# KiCad board 11-10084__speedy_processing_module__B.kicad_pcb (continued)
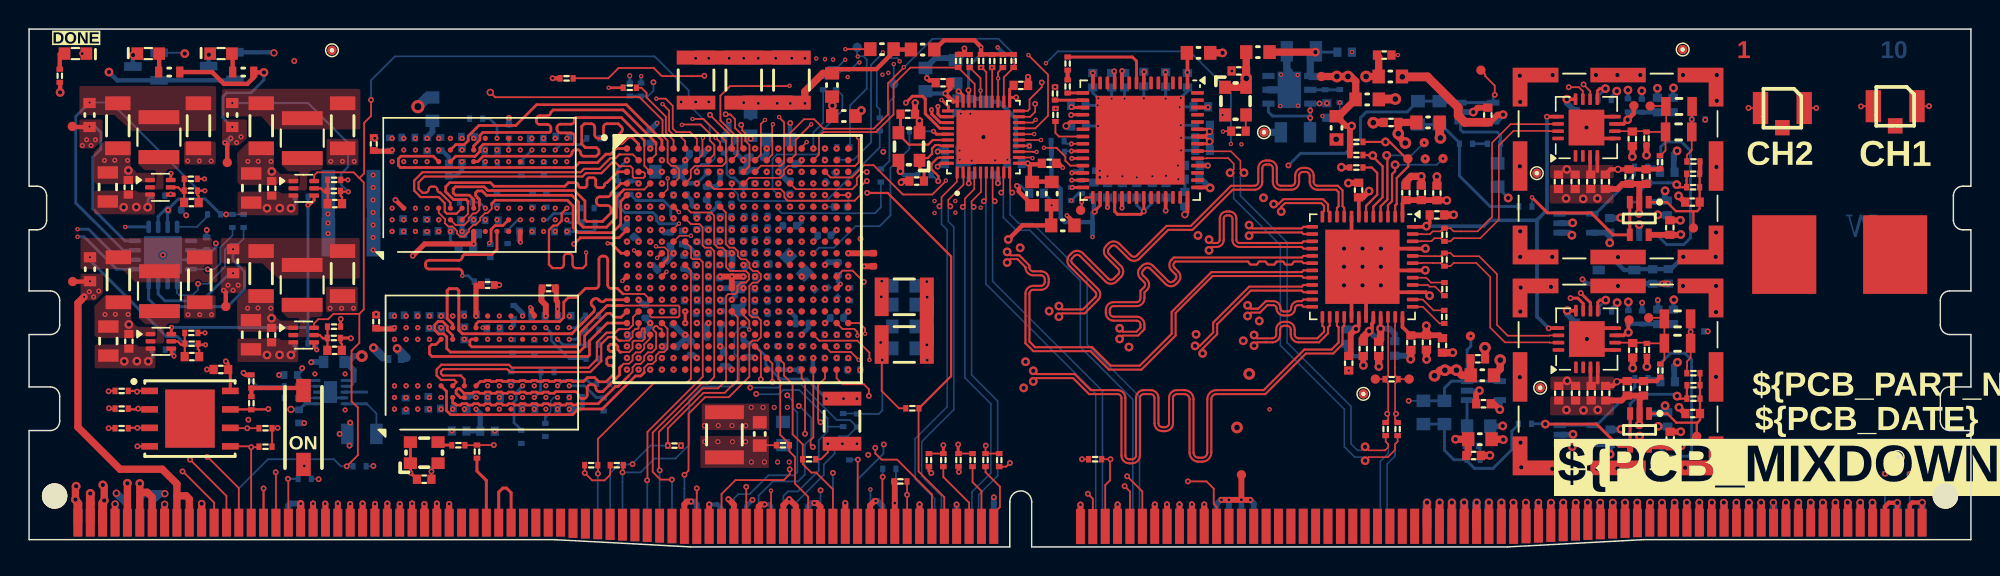
[diagram p0: board, top side]
## Nets (continued)
/TOP_LEVEL_IO/LD_MIO/VMODE[0]/MIO7: IC1.D8 R57.1
/TOP_LEVEL_IO/PGA_SCLK: IC1.B12 U3.11 U7.11
/TOP_LEVEL_IO/PGA_SDIO: IC1.D16 U3.10 U7.10
/TOP_LEVEL_IO/PGA_~{CS_CH1}: IC1.B13 R8.1 U3.9
/TOP_LEVEL_IO/PGA_~{CS_CH2}: IC1.C12 R20.1 U7.9
/TOP_LEVEL_IO/PLL/AC0: R42.2 U13.23
/TOP_LEVEL_IO/PLL/AC1: R43.2 U13.22
/TOP_LEVEL_IO/PLL/AC2: R44.2 U13.28
/TOP_LEVEL_IO/PLL/ADC_CLK+: R136.1 U13.47
/TOP_LEVEL_IO/PLL/ADC_CLK-: R137.1 U13.48
/TOP_LEVEL_IO/PLL/IF0: R41.2 U13.27
/TOP_LEVEL_IO/PLL/IF1: R40.2 U13.26
/TOP_LEVEL_IO/PLL/INTREF: C73.2 U16.3
/TOP_LEVEL_IO/PLL/REFINOUT: R46.2 R48.1
/TOP_LEVEL_IO/PLL/TEST: R45.2 U13.21
/TOP_LEVEL_IO/PLL_~{RSTn}: IC1.C18 R37.1 TP2.1 U13.29
/TOP_LEVEL_IO/PROG_B: IC1.L6 JEDEC1.187 R50.1
/TOP_LEVEL_IO/PS_CLK_EXT: JEDEC1.34 R59.2
/TOP_LEVEL_IO/PS_POR_B: IC1.C7 JEDEC1.158 R67.2 U22.6 U23.6
/TOP_LEVEL_IO/PS_RST: IC1.B10 JEDEC1.71 R107.1
/TOP_LEVEL_IO/SCL: IC1.C16 R97.1 U13.24 U24.4
/TOP_LEVEL_IO/SDA: IC1.C13 R98.1 U13.25 U24.5
/TOP_LEVEL_IO/SPI_CS/MIO1: IC1.A7 JEDEC1.14 R55.1 U15.1
/TOP_LEVEL_IO/SPI_DQ0/BOOT_MODE[3]/MIO2: IC1.B8 JEDEC1.15 R60.1 U15.5
/TOP_LEVEL_IO/SPI_DQ1/BOOT_MODE[1]/MIO3: IC1.D6 JEDEC1.13 R58.1 U15.2
/TOP_LEVEL_IO/SPI_DQ2/BOOT_MODE[2]/MIO4: IC1.B7 JEDEC1.12 R66.2 U15.3
/TOP_LEVEL_IO/SPI_DQ3/BOOT_MODE[0]/MIO5: IC1.A6 JEDEC1.17 R65.2 U15.7
/TOP_LEVEL_IO/SPI_SCK/BOOT_MODE[4]/MIO6: JEDEC1.16 R54.2 R64.1 U15.6
/TOP_LEVEL_IO/SPI_SCLK_FB/VMODE[1]/MIO8: IC1.D5 JEDEC1.18 R56.2
/TOP_LEVEL_IO/TCK: IC1.F9 JEDEC1.194
/TOP_LEVEL_IO/TDI: IC1.G6 JEDEC1.193
/TOP_LEVEL_IO/TDO: IC1.F6 JEDEC1.192
/TOP_LEVEL_IO/TMS: IC1.J6 JEDEC1.191
/TOP_LEVEL_IO/TRIGGER_IN_0: IC1.Y16 JEDEC1.51
/TOP_LEVEL_IO/TRIGGER_IN_1: IC1.Y17 JEDEC1.53
/TOP_LEVEL_IO/TRIGGER_OUT_0: IC1.Y19 JEDEC1.55
/TOP_LEVEL_IO/TRIGGER_OUT_1: IC1.V17 JEDEC1.57
/TOP_LEVEL_IO/TTC0_IN: IC1.E16 JEDEC1.209
/TOP_LEVEL_IO/TTC0_OUT: IC1.C15 JEDEC1.208
/TOP_LEVEL_IO/UART1_RX: IC1.D15 JEDEC1.206
/TOP_LEVEL_IO/UART1_TX: IC1.A14 JEDEC1.205
/TOP_LEVEL_IO/VCM: C45.2 U3.13 U7.13 U9.48
/TOP_LEVEL_IO/ZYNQ_CONFIG/PS_CLK: IC1.E7 R53.2 R59.1
/TOP_LEVEL_IO/ZYNQ_FPGA/D1A+: IC1.N17 R35.2 U9.9
/TOP_LEVEL_IO/ZYNQ_FPGA/D1A-: IC1.P18 R35.1 U9.10
/TOP_LEVEL_IO/ZYNQ_FPGA/D1B+: IC1.N18 R36.2 U9.11
/TOP_LEVEL_IO/ZYNQ_FPGA/D1B-: IC1.P19 R36.1 U9.12
/TOP_LEVEL_IO/ZYNQ_FPGA/D2A+: IC1.N20 R78.2 U9.13
/TOP_LEVEL_IO/ZYNQ_FPGA/D2A-: IC1.P20 R78.1 U9.14
/TOP_LEVEL_IO/ZYNQ_FPGA/D2B+: IC1.P14 R82.2 U9.15
/TOP_LEVEL_IO/ZYNQ_FPGA/D2B-: IC1.R14 R82.1 U9.16
/TOP_LEVEL_IO/ZYNQ_FPGA/D3A+: IC1.V15 R93.2 U9.21
/TOP_LEVEL_IO/ZYNQ_FPGA/D3A-: IC1.W15 R93.1 U9.22
/TOP_LEVEL_IO/ZYNQ_FPGA/D3B+: IC1.V16 R94.2 U9.23
/TOP_LEVEL_IO/ZYNQ_FPGA/D3B-: IC1.W16 R94.1 U9.24
/TOP_LEVEL_IO/ZYNQ_FPGA/D4A+: IC1.W18 R95.2 U9.25
/TOP_LEVEL_IO/ZYNQ_FPGA/D4A-: IC1.W19 R95.1 U9.26
/TOP_LEVEL_IO/ZYNQ_FPGA/D4B+: IC1.V20 R96.2 U9.27
/TOP_LEVEL_IO/ZYNQ_FPGA/D4B-: IC1.W20 R96.1 U9.28
/TOP_LEVEL_IO/ZYNQ_FPGA/FCLK+: IC1.U14 R88.2 U9.19
/TOP_LEVEL_IO/ZYNQ_FPGA/FCLK-: IC1.U15 R88.1 U9.20
/TOP_LEVEL_IO/ZYNQ_FPGA/LCLK+: IC1.U18 R85.2 U9.17
/TOP_LEVEL_IO/ZYNQ_FPGA/LCLK-: IC1.U19 R85.1 U9.18
/TOP_LEVEL_IO/ZYNQ_PS/DDR3_A0: IC1.N2 R149.2 U11.N3 U18.N3
/TOP_LEVEL_IO/ZYNQ_PS/DDR3_A1: IC1.K2 R145.2 U11.P7 U18.P7
/TOP_LEVEL_IO/ZYNQ_PS/DDR3_A2: IC1.M3 R147.2 U11.P3 U18.P3
/TOP_LEVEL_IO/ZYNQ_PS/DDR3_A3: IC1.K3 R148.2 U11.N2 U18.N2
/TOP_LEVEL_IO/ZYNQ_PS/DDR3_A4: IC1.M4 R146.2 U11.P8 U18.P8
/TOP_LEVEL_IO/ZYNQ_PS/DDR3_A5: IC1.L1 R158.2 U11.P2 U18.P2
/TOP_LEVEL_IO/ZYNQ_PS/DDR3_A6: IC1.L4 R162.2 U11.R8 U18.R8
/TOP_LEVEL_IO/ZYNQ_PS/DDR3_A7: IC1.K4 R156.2 U11.R2 U18.R2
/TOP_LEVEL_IO/ZYNQ_PS/DDR3_A8: IC1.K1 R161.2 U11.T8 U18.T8
/TOP_LEVEL_IO/ZYNQ_PS/DDR3_A9: IC1.J4 R157.2 U11.R3 U18.R3
/TOP_LEVEL_IO/ZYNQ_PS/DDR3_A10: IC1.F5 R152.2 U11.L7 U18.L7
/TOP_LEVEL_IO/ZYNQ_PS/DDR3_A11: IC1.G4 R160.2 U11.R7 U18.R7
/TOP_LEVEL_IO/ZYNQ_PS/DDR3_A12: IC1.E4 R143.2 U11.N7 U18.N7
/TOP_LEVEL_IO/ZYNQ_PS/DDR3_A13: IC1.D4 R155.2 U11.T3 U18.T3
/TOP_LEVEL_IO/ZYNQ_PS/DDR3_A14: IC1.F4 R159.2 U11.T7 U18.T7
/TOP_LEVEL_IO/ZYNQ_PS/DDR3_BA0: IC1.L5 R150.2 U11.M2 U18.M2
/TOP_LEVEL_IO/ZYNQ_PS/DDR3_BA1: IC1.R4 R144.2 U11.N8 U18.N8
/TOP_LEVEL_IO/ZYNQ_PS/DDR3_BA2: IC1.J5 R154.2 U11.M3 U18.M3
/TOP_LEVEL_IO/ZYNQ_PS/DDR3_CK+: IC1.L2 R138.2 U11.J7 U18.J7
/TOP_LEVEL_IO/ZYNQ_PS/DDR3_CK-: IC1.M2 R138.1 U11.K7 U18.K7
/TOP_LEVEL_IO/ZYNQ_PS/DDR3_CKE0: IC1.N3 R151.2 U11.K9 U18.K9
/TOP_LEVEL_IO/ZYNQ_PS/DDR3_DM0: IC1.A1 U18.E7
/TOP_LEVEL_IO/ZYNQ_PS/DDR3_DM1: IC1.F1 U18.D3
/TOP_LEVEL_IO/ZYNQ_PS/DDR3_DM2: IC1.T1 U11.E7
/TOP_LEVEL_IO/ZYNQ_PS/DDR3_DM3: IC1.Y1 U11.D3
/TOP_LEVEL_IO/ZYNQ_PS/DDR3_DQ0: IC1.E1 U18.E3
/TOP_LEVEL_IO/ZYNQ_PS/DDR3_DQ1: IC1.C3 U18.F7
/TOP_LEVEL_IO/ZYNQ_PS/DDR3_DQ2: IC1.D3 U18.F2
/TOP_LEVEL_IO/ZYNQ_PS/DDR3_DQ3: IC1.A4 U18.F8
/TOP_LEVEL_IO/ZYNQ_PS/DDR3_DQ4: IC1.D1 U18.H3
/TOP_LEVEL_IO/ZYNQ_PS/DDR3_DQ5: IC1.B3 U18.H8
/TOP_LEVEL_IO/ZYNQ_PS/DDR3_DQ6: IC1.C1 U18.G2
/TOP_LEVEL_IO/ZYNQ_PS/DDR3_DQ7: IC1.A2 U18.H7
/TOP_LEVEL_IO/ZYNQ_PS/DDR3_DQ8: IC1.E2 U18.D7
/TOP_LEVEL_IO/ZYNQ_PS/DDR3_DQ9: IC1.H2 U18.C3
/TOP_LEVEL_IO/ZYNQ_PS/DDR3_DQ10: IC1.E3 U18.C8
/TOP_LEVEL_IO/ZYNQ_PS/DDR3_DQ11: IC1.J1 U18.C2
/TOP_LEVEL_IO/ZYNQ_PS/DDR3_DQ12: IC1.H3 U18.A7
/TOP_LEVEL_IO/ZYNQ_PS/DDR3_DQ13: IC1.J3 U18.A2
/TOP_LEVEL_IO/ZYNQ_PS/DDR3_DQ14: IC1.G3 U18.B8
/TOP_LEVEL_IO/ZYNQ_PS/DDR3_DQ15: IC1.H1 U18.A3
/TOP_LEVEL_IO/ZYNQ_PS/DDR3_DQ16: IC1.T4 U11.E3
/TOP_LEVEL_IO/ZYNQ_PS/DDR3_DQ17: IC1.R1 U11.F7
/TOP_LEVEL_IO/ZYNQ_PS/DDR3_DQ18: IC1.U4 U11.F2
/TOP_LEVEL_IO/ZYNQ_PS/DDR3_DQ19: IC1.P1 U11.F8
/TOP_LEVEL_IO/ZYNQ_PS/DDR3_DQ20: IC1.U2 U11.H3
/TOP_LEVEL_IO/ZYNQ_PS/DDR3_DQ21: IC1.P3 U11.H8
/TOP_LEVEL_IO/ZYNQ_PS/DDR3_DQ22: IC1.U3 U11.G2
/TOP_LEVEL_IO/ZYNQ_PS/DDR3_DQ23: IC1.R3 U11.H7
/TOP_LEVEL_IO/ZYNQ_PS/DDR3_DQ24: IC1.W3 U11.D7
/TOP_LEVEL_IO/ZYNQ_PS/DDR3_DQ25: IC1.W1 U11.C3
/TOP_LEVEL_IO/ZYNQ_PS/DDR3_DQ26: IC1.Y3 U11.C8
/TOP_LEVEL_IO/ZYNQ_PS/DDR3_DQ27: IC1.Y2 U11.C2
/TOP_LEVEL_IO/ZYNQ_PS/DDR3_DQ28: IC1.V2 U11.A7
/TOP_LEVEL_IO/ZYNQ_PS/DDR3_DQ29: IC1.V3 U11.A2
/TOP_LEVEL_IO/ZYNQ_PS/DDR3_DQ30: IC1.Y4 U11.B8
/TOP_LEVEL_IO/ZYNQ_PS/DDR3_DQ31: IC1.V1 U11.A3
/TOP_LEVEL_IO/ZYNQ_PS/DDR3_DQS0+: IC1.C2 U18.F3
/TOP_LEVEL_IO/ZYNQ_PS/DDR3_DQS0-: IC1.B2 U18.G3
/TOP_LEVEL_IO/ZYNQ_PS/DDR3_DQS1+: IC1.G2 U18.C7
/TOP_LEVEL_IO/ZYNQ_PS/DDR3_DQS1-: IC1.F2 U18.B7
/TOP_LEVEL_IO/ZYNQ_PS/DDR3_DQS2+: IC1.R2 U11.F3
/TOP_LEVEL_IO/ZYNQ_PS/DDR3_DQS2-: IC1.T2 U11.G3
/TOP_LEVEL_IO/ZYNQ_PS/DDR3_DQS3+: IC1.W5 U11.C7
/TOP_LEVEL_IO/ZYNQ_PS/DDR3_DQS3-: IC1.W4 U11.B7
/TOP_LEVEL_IO/ZYNQ_PS/DDR3_ODT0: IC1.N5 R153.2 U11.K1 U18.K1
/TOP_LEVEL_IO/ZYNQ_PS/DDR3_~{CAS}: IC1.P5 R140.2 U11.K3 U18.K3
/TOP_LEVEL_IO/ZYNQ_PS/DDR3_~{CS}: IC1.N1 R142.2 U11.L2 U18.L2
/TOP_LEVEL_IO/ZYNQ_PS/DDR3_~{RAS}: IC1.P4 R139.2 U11.J3 U18.J3
/TOP_LEVEL_IO/ZYNQ_PS/DDR3_~{RESET}: IC1.B4 R73.1 R99.1 U11.T2 U18.T2
/TOP_LEVEL_IO/ZYNQ_PS/DDR3_~{WE}: IC1.M5 R141.2 U11.L3 U18.L3
/TOP_LEVEL_IO/ZYNQ_PS/GREEN_LED: IC1.A10 Q3.1
/TOP_LEVEL_IO/ZYNQ_PS/RED_LED: IC1.A11 Q4.1
/TOP_LEVEL_IO/ZYNQ_PS/S3: R163.1 U26.7
/TOP_LEVEL_IO/ZYNQ_PS/S5: R164.1 U26.9
/TOP_LEVEL_IO/ZYNQ_PS/VREF0V9: C121.2 IC1.E11 R105.1 R106.2
/TOP_LEVEL_IO/ZYNQ_PWR/PG_1V0: R84.1 U21.4 U25.6
/TOP_LEVEL_IO/ZYNQ_PWR/PG_1V8: R80.1 R83.1 U21.6 U22.4 U23.4
/TOP_LEVEL_IO/ZYNQ_PWR/TPS62A02_BUCK_1V0/EN: R90.1 U25.4
/TOP_LEVEL_IO/ZYNQ_PWR/TPS62A02_BUCK_1V0/FB: C239.1 R91.2 R92.1 U25.5
/TOP_LEVEL_IO/ZYNQ_PWR/TPS62A02_BUCK_1V8/FB: C219.1 R77.2 R79.1 U21.5
/TOP_LEVEL_IO/ZYNQ_PWR/TPS62A02_BUCK_1V50/FB: C229.1 R87.2 R89.1 U23.5
/TOP_LEVEL_IO/ZYNQ_PWR/TPS62A02_BUCK_3V3/FB: C223.1 R81.2 R86.1 U22.5
DDR3-VREF: C56.1 C58.2 C88.2 C90.1 C92.2 C266.2 C268.2 IC1.H6 IC1.P6 U11.H1 U11.M8 U18.H1 U18.M8 U26.6
VREF: C84.2 IC1.L9 U4.1 U8.1 U14.4
VTT: C267.2 R139.1 R140.1 R141.1 R142.1 R143.1 R144.1 R145.1 R146.1 R147.1 R148.1 R149.1 R150.1 R151.1 R152.1 R153.1 R154.1 R155.1 R156.1 R157.1 R158.1 R159.1 R160.1 R161.1 R162.1 U26.3 U26.5
Net-(C203-1-Pad2): C203.2 C204.2 R11.2 R23.1
Net-(C205-1-Pad2): C205.2 C207.2 R12.2 R24.1
Net-(D1-PadA): D1.A R52.1
Net-(D5-PadA): D5.A R68.1
Net-(D6-PadA): D6.A R166.1
Net-(IC1A-VCCADC_0): C255.2 IC1.J9 L17.2
Net-(IC1D-PS_DDR_VRN_502): IC1.G5 R69.2
Net-(IC1D-PS_DDR_VRP_502): IC1.H5 R70.2
Net-(IC1E-PS_MIO6_500): IC1.A5 R54.1
Net-(IC1F-PS_MIO16_501): IC1.A19 R124.2
Net-(IC1F-PS_MIO17_501): IC1.E14 R125.2
Net-(IC1F-PS_MIO18_501): IC1.B18 R126.2
Net-(IC1F-PS_MIO19_501): IC1.D10 R127.2
Net-(IC1F-PS_MIO20_501): IC1.A17 R128.2
Net-(IC1F-PS_MIO21_501): IC1.F14 R129.2
Net-(IC1G-VCCBATT_0): IC1.F11 R74.2 R165.1
Net-(JEDEC1-Pad35): JEDEC1.35 JEDEC1.36
Net-(JEDEC1-Pad285): JEDEC1.285 R168.1
Net-(JEDEC1-Pad287): JEDEC1.287 R167.1
Net-(Q3-D): D5.C Q3.3
Net-(Q4-D): D6.C Q4.3
Net-(R23-Pad2): R23.2 R75.1
Net-(R24-Pad2): R24.2 R76.1
Net-(R61-Pad1): R61.1 R65.1 SW1.2
Net-(R167-Pad2): R167.2 R176.1
Net-(R168-Pad2): R168.2 R175.1
Net-(U1-+): C9.2 R3.2 R4.2 R7.2 TP4.1 U1.1
Net-(U1--): R11.1 U1.3 U1.4
Net-(U2-+): C17.2 R9.1 R10.2 U2.1
Net-(U2--): R4.1 R7.1 TP31.1 U2.3 U2.4
Net-(U4--): R9.2 U4.3 U4.4
Net-(U5-+): C28.2 R15.2 R16.2 R19.2 TP14.1 U5.1
Net-(U5--): R12.1 U5.3 U5.4
Net-(U6-+): C36.2 R21.1 R22.2 U6.1
Net-(U6--): R16.1 R19.1 U6.3 U6.4
Net-(U8--): R21.2 U8.3 U8.4
Net-(U10-ADJ): R33.1 R34.1 U10.5
Net-(U11-ZQ): R71.2 U11.L8
Net-(U13-IC1N): R47.1 U13.16
Net-(U13-IC1P): R46.1 U13.15
Net-(U13-IC2N): C74.1 U13.19
Net-(U13-IC2P): C73.1 U13.18
Net-(U13-OC1P): R48.2 U13.8
Net-(U13-VDDOA): C66.2 C67.2 C68.2 C69.2 C70.2 C71.2 C72.2 C213.2 C215.2 C216.2 L9.2 U13.1 U13.7 U13.11 U13.17 U13.32 U13.36 U13.42 U13.43 U13.46 U13.54
Net-(U17-CLKOUT): R116.2 U17.35
Net-(U17-LED0/CFG_EXT): R119.1 R121.2 U17.32
Net-(U17-LED1/CFG_LDO0): R122.1 R123.2 U17.33
Net-(U17-LED2/CFG_LDO1): R118.2 R120.1 U17.34
Net-(U17-RSET): R117.2 U17.39
Net-(U17-XTAL_IN): C251.2 U17.36 X1.3
Net-(U17-XTAL_OUT/EXT_CLK): C252.2 U17.37 X1.1
Net-(U18-ZQ): R72.2 U18.L8
Net-(U19-+): C206.2 R75.2 U19.1
Net-(U20-+): C210.2 R76.2 U20.1
Net-(U21-SW): L11.1 U21.2
Net-(U22-SW): L12.1 U22.2
Net-(U23-SW): L13.1 U23.2
Net-(U24-~{PWRDN}): R102.2 U24.16
Net-(U25-SW): L15.1 U25.2
Net-(U27-OUTPUT): R53.1 U27.3

Pads without a net: IC1 A20 B5 B9 B14 B19 B20 C5 C6 C8 C17 C20 D9 D19 D20 E6 E8 E9 E13 F13 F17 F19 F20 G14 G15 G17 G18 G19 G20 H15 H16 H17 H18 H20 J14 J15 J18 J19 J20 K9 K14 K18 K19 L10 L14 L15 L16 L17 L19 L20 M14 M15 M17 M18 N15 N16 P15 P16 R16 R17 R18 R19 T5 T9 T10 T11 T12 T14 T15 T16 T17 U5 U7 U8 U9 U10 U12 U13 V5 V6 V7 V8 V10 V11 W6 W8 W9 W10 W11 Y6 Y7 Y8 Y9 Y11 Y12 Y13; JEDEC1 32 33 37 38 39 40 41 42 43 44 45 46 47 48 49 88 89 90 91 92 93 94 95 96 97 98 99 100 101 102 103 153 154 156 157 159 160 161 176 177 178 179 180 181 182 183 184 185 186 190 211 212 235 236 237 238 239 240 241 242 243 246 247; M1 1; M2 1; U3 1 2 16; U7 1 2 16; U10 3; U11 J1 J9 L1 L9 M7; U13 2 3 5 6 9 12 13 20 34 35 37 38 40 41 44 45 52 53 55 56; U14 1 5 6; U15 9; U18 J1 J9 L1 L9 M7; U24 1

## Via types
v1: diameter 0.4, hole 0.2, L1 to L10, 234 vias
v2: diameter 0.3, hole 0.15, L1 to L10, 438 vias
v3: diameter 0.6, hole 0.3, L1 to L10, 204 vias
v4: diameter 0.35, hole 0.15, L1 to L10, 157 vias
v5: diameter 0.8, hole 0.4, L1 to L10, 19 vias
v6: diameter 0.35, hole 0.2, L1 to L10, 40 vias
v7: diameter 0.5, hole 0.2, L1 to L10, 2 vias
v8: diameter 0.5, hole 0.3, L1 to L10, 55 vias
v9: diameter 0.5, hole 0.25, L1 to L10, 4 vias
v10: diameter 0.9, hole 0.5, L1 to L10, 1 via

## Routing (per net, layer and track width the routed paths; a pad name or vN(x,y) marks a point on that pad's centre or on a via; arc(x,y) is an arc through that point)
3v3-OP: length 86.4
  L1 w0.4: v3(113.43,21.48) 113.4,21.46 C14.2 U1.5 ; U5.5 C30.2 113.43,6.92 v3(113.45,6.94) ; v3(101.23,29.72) 100.85,29.72 100.33,29.19 C208.2 ; v3(101,9.44) 100.6,9.84 C209.2
  L1 w0.5: v3(101.24,7.37) 101.21,7.4 L3.2
  L1 w0.6: v5(94.31,32.32) 96.03,32.32 98.14,30.21 98.14,29.65 98.6,29.19 98.6,29.19 C208.2
  L5 w0.4: v3(101,9.44) 100.98,9.42 100.77,9.42 100.39,9.04 100.39,7.6 100.62,7.37 v3(101.24,7.37) 101.24,6.6 101.73,6.1 108.31,6.1 v3(108.58,6.37) 111.95,6.37 ; 111.82,23.96 112.66,23.12 112.66,21.79 112.98,21.48 v3(113.43,21.48) 113.73,21.48 114.45,20.76 114.45,17.43 112.38,15.36 112.38,9.73 v3(112.35,9.71) 112.35,9.08 112.65,8.78 112.65,7.8 111.95,7.1 111.95,6.37 ; 111.82,23.96 108.55,23.96 ; 111.82,23.96 v3(112.35,24.48) ; v3(101.23,29.72) 102.69,28.25 105.48,28.25 108.55,25.19 108.55,23.96 ; 108.55,23.96 v3(108.55,20.91) ; 111.95,6.37 112.88,6.37 v3(113.45,6.94)
  L5 w0.6: v5(94.31,32.32) 94.94,31.68 98.88,31.68 100.85,29.72 v3(101.23,29.72)
  L10 w0.4: v3(101,9.44) U20.5 ; v3(108.58,6.37) C32.2 U8.5 ; U4.5 C11.2 v3(108.55,20.91) ; v3(112.35,24.48) 112.33,24.46 112.33,23.98 C13.2 111.95,23.81 111.85,23.71 U2.5 ; 100.75,29.24 v3(101.23,29.72) ; v3(112.35,9.71) 112.35,9.44 C33.2 111.98,9.27 111.88,9.17 U6.5
+1v0: length 11.4
  L1 w0.3: R130.2 3.01,28.87 TP35.1
  L10 w0.2: U24.12 6.58,21.04 4.38,23.24 4.38,26.79 4.93,27.34 4.93,28.49 4.53,28.89 v4(4.15,28.89)
  vias: v2(45.86,22.59) v2(45.86,20.99) v2(45.86,19.39) v2(45.86,17.79) v2(45.86,16.19) v2(46.66,16.99) v2(48.26,21.79) v2(49.06,22.59) v2(49.86,21.79) v2(49.86,20.19) v2(49.86,18.59) v2(49.86,16.99) v2(50.66,22.59) v2(50.66,20.99) v2(50.66,19.39) v2(50.66,17.79) v2(50.66,16.19) v4(3.65,27.59) v4(3.95,27.99) v4(4.25,27.59) v4(4.55,27.99) v6(44.78,30.59) v6(45.78,30.59) v6(46.38,8.34) v6(46.68,30.59) v6(47.33,8.34) v6(48.27,8.34) v6(49.22,8.34) v6(49.59,9.59) v6(50.4,9.59) v6(51.17,9.59) v6(52.07,9.59)
+1v5: length 33.3
  L1 w0.3: v4(13.36,17.64) 13.51,17.49 TP38.1 ; U11.N9 34.69,15.97 34.51,16.15 34.51,16.38 v2(34.43,16.47) ; v2(36.29,16.36) U11.R9
  L1 w0.35: v4(30.69,15.87) 30.69,18.01 ; v4(25.09,15.07) 25.01,14.99 23.83,14.99 ; 36.2,17.9 36.2,16.94 36.29,16.85 v2(36.29,16.36) ; 23.67,27.2 24.85,27.2 v4(24.93,27.29)
  L10 w0.2: v4(28.93,21.69) 28.93,21.06 29.38,20.61 ; 22.18,11.44 22.2,11.42 22.2,11.17 22.08,11.04 U26.2 ; 22.18,11.44 U26.1 ; 22.18,11.44 22.3,11.44 ; v2(41.86,24.99) 41.7,25.14 R69.1 ; v4(14.01,18.82) 13.78,18.82 11.88,16.92 9.32,16.92 8.86,17.38 U24.7
  L10 w0.3: 29.73,26.39 29.73,25.91 29.32,25.49 28.83,25.49 ; 34.48,15.86 34.43,15.91 v2(34.43,16.47) ; C103.2 30.62,10.34 v4(30.69,10.27) ; v2(36.29,16.36) 36.29,15.9
  L10 w0.4: 22.3,11.44 22.3,12.14 21.73,12.72 ; v2(42.66,19.39) 42.83,19.39 43.16,19.05 ; v5(22.85,13.12) 22.3,13.12 21.9,12.72 ; C158.2 27.7,28.54 27.34,28.18 ; C142.2 43.62,21.62 v2(43.46,21.79) ; v2(41.06,22.59) 41.06,22.13 40.93,22.01 ; C149.2 42.19,16.65 v2(41.86,16.99) ; v2(42.66,27.39) 42.66,27.39 C170.2
  L10 w0.6: 24.3,13.04 v3(23.65,13.69)
  L10 w0.9: C146.2 C152.2
  vias: v2(32.13,27.29) v2(32.13,22.49) v2(32.29,15.07) v2(34.53,21.69) v2(34.69,9.47) v2(36.13,21.69) v2(36.29,9.47) v2(41.06,14.59) v2(43.46,13.79) v2(44.26,24.19) v2(44.26,16.19) v4(13.66,17.99) v4(14.01,17.64) v4(14.36,17.99) v4(23.63,25.57) v4(23.63,24.71) v4(23.63,23.85) v4(23.63,22.99) v4(23.63,22.13) v4(23.63,21.28) v4(23.63,20.42) v4(24.93,21.69) v4(25.09,9.47) v4(25.73,22.49) v4(25.89,10.27) v4(26.53,28.09) v4(26.53,21.69) v4(26.69,15.87) v4(26.69,9.47) v4(27.33,28.09) v4(27.33,22.49) v4(27.49,15.87) v4(27.49,10.27) v4(28.13,28.09) v4(28.29,15.87) v4(29.09,9.47) v4(29.73,26.49) v4(29.89,14.27) v4(30.53,28.09) v4(30.53,22.49) v4(31.98,7.96) v4(32.29,10.27) v4(34.53,28.09) v4(36.13,28.09)
+1v8: length 119.8
  L1 w0.12: R107.2 59.74,9.53 58.55,10.72 C202.2
  L1 w0.2: v1(73.17,23.04) 73.22,23.09 73.22,23.15 73.55,23.47 U13.30
  L1 w0.25: v3(92.81,15) 92.82,15.01 U9.33
  L1 w0.3: L10.1 55.43,32.85 58.19,32.85 59.53,34.19 L14.1 ; TP37.1 4.16,18.24 v4(4.18,18.27) ; v2(55.73,18.07) 55.46,17.8
  L1 w0.4: R26.1 R25.1 90.7,28.81 v3(90.83,28.94) 90.46,28.94 L7.1 ; v2(56.26,20.19) 57.97,20.19
  L1 w0.5: TP30.1 v5(89.81,32.34) v5(90.57,32.34) 90.77,32.34 91.11,32.01 91.11,30.78 ; 10.15,3.51 10.79,3.51 11,3.3 JEDEC1.10 ; 10.15,3.51 JEDEC1.9 ; 10.15,3.51 10.15,4.33 9.14,5.34 6.24,5.34 3.35,8.23 3.35,16.76 v4(3.78,17.19) ; 89.94,29.61 L6.1 ; v3(88.34,34.02) 85.19,34.02 ; v3(92.81,15) 92.81,14.25 C51.2 ; 55.13,32.56 54.52,32.56 53.28,31.31 53.28,30.71
  L1 w0.96: v6(49.08,30.54) C189.2
  L5 w0.2: v4(4.18,18.27) 3.51,18.94 3.51,20.12 6.12,22.73 9.11,22.73 v1(9.55,23.16)
  L8 w0.2: v1(13.53,22.86) 13.42,22.86
  L10 w0.12: R39.2 56.84,9.17 ; v2(54.66,23.39) 55.28,23.39 ; 13.2,22.87 13.53,22.87 v1(13.53,22.86) R98.2 ; R38.2 58.36,9.14 58.59,9.38 58.59,12.99 58.71,12.99 v1(58.58,12.85)
  L10 w0.2: R74.1 41.25,32.39 ; U24.15 9.51,23.14 ; v2(48.26,16.99) 48.48,17.21 48.48,17.24 ; C61.2 88.42,34.02 ; U10.4 88.95,32.38 ; R102.1 12.1,23.92 10.26,23.92 9.55,23.21 C253.2 9.32,23.17 8.86,22.71 U24.14 ; 89.81,32.37 89.78,32.33 R33.2
  L10 w0.3: 46.63,23.87 46.63,23.42 v2(46.66,23.39) ; C214.2 73.12,23.24 R37.2 73.03,22.96 v2(73.03,21.3) 73.03,22.33 71.14,22.33 71.11,22.37 71.09,22.37 70.84,22.61 70.84,24.6 70.21,25.24 R42.1 ; C191.2 54.15,21.28 v2(53.86,20.99) ; 55.01,15.74 v2(54.66,15.39) ; v2(55.73,18.07) 55.55,18.24 C194.2 ; C174.2 52.63,15.81 v2(52.26,16.19) ; v2(53.86,12.99) 53.83,12.96 C186.2 ; 51.78,22.11 v2(51.46,21.79) ; R43.1 70.18,27.18
  L10 w0.4: 48.48,17.24 48.48,17.72 ; v2(53.06,26.59) 52.79,26.32 C160.2 ; C53.2 93.78,14.65 93.43,15 v3(92.81,15) ; v6(48.05,29.29) 48.05,28.64 47.73,28.32 47.73,27.97 ; C166.2 50.66,27.02 v2(50.66,27.39) 50.66,28.14 ; v2(47.46,17.79) 48.55,17.79 ; 49.55,29.52 49.55,30.44 49.65,30.54
  L10 w0.5: v5(90.57,32.34) 88.02,32.34 U10.4 87.98,33.68 C59.2
  L10 w0.95: C189.2 v6(49.08,30.54)
  vias: v1(58.53,17.19) v1(58.48,14.05) v1(58.55,18.27) v2(46.66,21.79) v2(46.66,20.19) v2(46.66,18.59) v2(47.46,22.59) v2(47.46,16.19) v2(49.06,20.99) v2(49.06,19.39) v2(49.06,17.79) v2(49.86,24.99) v2(51.46,13.79) v2(52.26,24.19) v2(53.06,18.59) v2(55.46,25.79) v2(56.26,12.19) v2(70.51,30.13) v4(4.13,17.54) v4(4.43,17.19) v4(4.78,17.59) v6(41.24,32.39) v6(50.08,30.49) v6(51.38,30.49) v6(52.28,30.49) v6(53.28,30.49)
+1v8_ETH: length 16.3
  L1 w0.2: U17.28 64.54,31.26 64.51,31.28 v1(64.51,31.4)
  L1 w0.3: R111.2 R108.2 65.37,34.37 64.92,34.83 62.83,34.83 62.2,34.19
  L10 w0.2: 64.51,30.91 v1(64.51,31.4) 64.51,33.03 65.37,33.89 v2(65.37,34.35)
  L10 w0.3: 65.54,30.79 64.65,30.79 ; R115.2 67.77,29.44 66.61,30.6 C235.2
+1v8A: length 23.8
  L1 w0.25: U9.1 94.32,23.61 C48.2 ; U9.36 94.32,15.12 C47.2 ; v3(92.03,14.83) 92.22,15.02 92.22,15.34 92.32,15.44 U9.32
  L1 w0.4: C42.2 96.86,14.55 C40.2 ; v3(97.36,23.82) 97.35,23.83 C43.2 ; C47.2 95.95,14.54 ; 96.67,23.84 C44.2 C48.2
  L1 w0.5: C42.2 95.96,15.19 v3(95.95,15.2) ; C46.2 91.62,14.42 v3(92.03,14.83)
  L1 w0.6: v5(93.82,30.79) 92.72,30.79
  L5 w0.6: 98.6,23.93 98.6,28.77 97.48,29.89 94.74,29.89 94.28,30.35 94.28,30.36 93.85,30.79 v5(93.82,30.79)
  L10 w0.4: 92.69,14.17 v3(92.03,14.83) 91.63,14.43 C41.2
+1v8APLL: length 16.1
  L1 w0.12: U16.4 83.58,32.72
  L1 w0.2: 80.73,28.21 v8(81.07,28.56) 80.92,28.71 U13.51 ; U13.50 80.75,28.21 81.1,27.87 80.94,27.71 U13.49
  L1 w0.25: U13.33 75.05,23.3 v4(75.05,23.3) ; v1(78.04,32.64) 78.05,32.64 U13.4 ; U13.10 75.05,32.7 v1(75.06,32.71) ; U13.31 74.05,23.35 v4(74.05,23.34) ; v1(73.05,32.59) 73.05,32.58 73.05,32.57 U13.14 ; 78.05,23.3 U13.39
  L1 w0.3: U13.50 80.73,28.21
  L1 w0.5: 83.59,31.61 v5(83.59,32.21) L8.2 ; U16.1 U16.4
  L10 w0.2: C212.2 78.07,23.15 v1(78.05,23.12) ; 75.08,23.32 v4(75.05,23.3) ; 74.06,23.35 v4(74.05,23.34)
  L10 w0.3: C211.2 75.08,23.32 ; C81.2 74.06,23.35
  L10 w0.5: v8(81.07,27.87) 81.07,27.28
+1v8D: length 6.5
  L1 w0.25: U9.7 91.32,24.02 ; U9.30 91.32,15.18 v3(91.12,14.98)
  L1 w0.4: C50.2 91.59,24.03 v3(92.02,24.46) ; v3(91.12,14.98) 90.76,14.62 90.76,13.26
  L10 w0.4: v3(91.12,14.98) 90.47,14.98 ; C50.2 91.59,24.03 v3(92.02,24.46)
  vias: v5(89.76,28.02)
+2v4: length 21
  L1 w0.4: v1(83.25,3.24) 83.25,4.95 ; v1(81.88,3.23) v1(83.87,3.23)
  L10 w0.2: U10.1 85.11,29.9 85.39,29.62 87.96,29.62 87.98,29.6 v1(87.98,29.5) 87.98,30.05 87.98,30.05 87.98,30.05 U10.6 ; U10.6 89.1,30.48 ; U10.6 87.98,28.52
  L10 w0.4: v1(83.25,3.24) 83.25,3.24 JEDEC1.233 ; v1(83.25,3.24) 82.4,3.24 ; v1(83.25,3.24) 83.85,3.24 84.1,3 JEDEC1.234 ; 82.4,3.24 81.84,3.24 81.55,2.95 JEDEC1.231 ; 82.4,3.24 82.4,3.24 JEDEC1.232
  vias: v1(82.39,3.23) v1(87.98,30) v1(88.62,30.49) v1(89.12,30.5)
+3v3: length 155.1
  L1 w0.12: R119.2 67.1,5.52 v1(67.36,5.77) ; v1(5.46,10.7) 5.48,10.73 5.53,10.73 5.56,10.7 5.58,10.73 ; 62,5.04 v1(61.96,5.07) ; v1(38.15,5.09) 38.66,4.58 39.52,4.58 39.91,4.97 R51.2 ; R50.2 38.15,4.97 38.15,4.96 ; 7.6,3.76 v3(7.6,4.36)
  L1 w0.15: R55.2 5.58,10.73
  L1 w0.2: v1(63.83,31.32) 63.89,31.26 63.93,31.26 64.14,31.05 64.14,30.61 ; C85.2 13.67,12.6 v1(13.51,12.76) ; v2(45.06,15.39) v2(45.06,16.19) ; U27.4 U27.1 v1(26.18,5.1) C86.2 ; R120.2 61.79,5.24 62,5.04 ; U15.8 13.82,12.05
  L1 w0.25: U7.12 v3(105.63,16.24) ; U3.12 v3(105.6,30.78)
  L1 w0.3: v3(67.24,21.13) 68.21,22.1 C244.2 ; 70.18,23.51 70.18,22.37 ; R68.2 12.57,32.65 13.38,31.83 14.98,31.83 15.43,32.28 R166.2 15.45,32.62 v3(16.12,32.62) 16.18,32.67 ; R61.2 14.86,11.83 v1(14.73,11.97) ; TP39.1 13.61,27.64 v4(13.45,27.79)
  L1 w0.4: v1(112.15,18.1) v1(112.57,18.1)
  L1 w0.5: C6.2 92.68,33.69 L1.1 v5(91.82,32.34) ; v3(97.96,7.4) L3.1 98.83,6.41 C27.2 ; 7.6,3.76 8.11,3.76 8.45,3.41 JEDEC1.7 ; v3(7.6,4.36) JEDEC1.6 ; v3(81.96,33.97) L9.1 ; 6.75,4.11 JEDEC1.5
  L3 w0.12: v1(61.96,5.07) 62.66,5.77 v1(67.36,5.77)
  L3 w0.2: v2(45.06,17.79) v2(45.06,18.59) v2(45.06,20.19)
  L3 w0.4: v1(58.66,27.16) 58.68,27.14 58.68,23.75 57.1,22.17 v1(57.1,21.18) 57.13,21.18 59.25,19.06 59.25,12.35 58.21,11.31 57.32,11.31 56.85,10.84 v6(56.85,10.19)
  L5 w0.2: v2(3.33,21.32) 3.8,21.32 4,21.52 4,22.52 5.55,24.07 6.9,24.07 11.7,28.87 v4(13.95,28.87)
  L5 w0.3: v1(63.83,31.32) 63.83,30.41 63.27,29.85 63.27,28.89 61.55,27.16 v1(58.66,27.16)
  L7 w0.4: v1(57.1,21.18) 57.15,21.13 v3(67.24,21.13)
  L9 w0.5: v3(81.96,33.97) 81.99,33.94 86.56,33.94 89.12,31.38 90.85,31.38 v5(91.82,32.34)
  L10 w0.12: R67.1 23.62,5.54 v1(23.64,5.57) ; 12.18,20.39 C254.2 ; v1(19.88,4.65) 19.86,4.68 R56.1
  L10 w0.2: 46.56,25.69 v2(45.86,24.99) ; R163.2 R164.2 15.67,11.03 14.73,11.97 ; U24.9 6,19.09 3.78,21.32 v2(3.33,21.32) ; C265.2 18.75,12.15 v1(18.75,12.29) ; v3(109.06,16.79) 108.68,16.41 R20.2 ; C243.2 70.23,23.77 v2(70.23,23.49) ; R8.2 108.65,30.95 v3(109.03,31.33) ; v4(13.95,28.87) 13.3,29.51 13.3,30.97 13.56,31.22 15.24,31.22 16.12,32.11 v3(16.12,32.62) ; 111.98,18.1 111.97,18.09 C82.2 ; v1(12.83,20.87) 12.83,20.61 12.6,20.38 C254.2 ; 18.42,11.79 18.76,11.44 U26.10 ; v2(45.06,20.19) 45.06,20.02 ; U24.2 12.18,20.39 ; v6(54.75,10.19) 53.4,11.54 51.58,11.54 50.59,12.53 50.59,13.11 49.76,13.94 C263.2
  L10 w0.3: 44.6,25.64 45.24,25 45.84,25
  L10 w0.4: C25.2 105.63,15.99 v3(105.63,16.24) ; 45.84,25 v2(45.86,24.99) ; 110.25,18.1 v1(112.57,18.1) ; 63.83,31.21 v1(63.83,31.32) 63.83,31.34 ; v2(48.26,12.19) 48.03,12.42 C262.2 ; C165.2 45.35,26.88 v2(45.06,26.59) 45.06,26.12 44.6,25.67 ; C263.2 49.06,14.19 v2(49.06,14.59) ; C8.2 105.6,30.53 v3(105.6,30.78) ; v2(46.66,15.39) 46.55,15.28 C264.2 ; v2(45.86,12.99) 45.83,12.99 45.63,13.19 ; v4(13.85,28.09) 13.55,27.79 v4(13.45,27.79) ; v1(14.73,11.97) 14.73,11.97
  vias: v1(44.77,6.97) v3(6.75,4.38) v4(14.25,27.79) v4(14.55,28.19) v6(55.93,10.19)
+3v3_ETH: length 12.4
  L1 w0.2: U17.40 62.62,26.37 v1(62.39,26.14) ; v1(68.58,26.37) U17.11
  L1 w0.3: 69.48,26.3 68.65,26.3 v1(68.58,26.37) 68.73,26.23 68.73,25.14 ; 70.18,25.11 68.75,25.11
  L7 w0.2: v1(62.39,26.14) 62.4,26.13 68.34,26.13 v1(68.58,26.37)
  L10 w0.3: C248.2 62.61,26.36 v1(62.39,26.14)
  L10 w0.4: v1(68.58,26.37) 68.57,26.36 C247.2
+5V_CONN: length 15.6
  L1 w0.5: v3(5.16,3.19) 5.16,4.16 v3(5.06,4.26) ; v3(3.18,3.25) 3.18,4.12 v3(3.23,4.17)
  L1 w0.6: JEDEC1.3 5.05,2.99 ; JEDEC1.2 4.2,3.01 v3(4.2,3.67) ; JEDEC1.1 3.35,2.96
  L10 w0.2: v3(8.14,23.35) 8.17,23.38 8.17,23.91 R90.2 ; v3(8.18,12.76) 8.45,13.03 R84.2 ; R83.2 18.25,13.46 v3(17.98,13.19) ; v3(17.99,23.28) 18.26,23.55 R80.2
  L10 w0.5: JEDEC1.2 v3(4.2,3.67) ; JEDEC1.3 5.05,3.08 v3(5.16,3.19) ; JEDEC1.1 3.35,3.08 v3(3.18,3.25)
  vias: v3(6.49,23.35) v3(6.53,12.76) v3(7.36,23.36) v3(7.4,12.77) v3(16.33,13.19) v3(16.34,23.28) v3(17.21,23.29) v3(17.2,13.2)
+5V_PGA: length 26.4
  L1 w0.5: JEDEC1.106 97.7,3.04 v8(97.71,3.05) ; v8(98.55,3.05) 98.55,3.05 JEDEC1.107 ; v5(96.52,11.77) 96.9,12.15 v5(97.23,12.15) 97.23,12.15 v5(98.02,12.15) 98.37,11.8 L4.1 ; JEDEC1.104 v8(96,3.05) ; v8(96.87,3.05) 96.85,3.03 JEDEC1.105 ; JEDEC1.108 99.4,3.04 v8(99.41,3.05) ; v5(94.51,27.77) 94.03,28.25 v5(94.03,28.41) 94.03,28.41 C12.2 L2.1 ; C31.2 98.99,11.81 ; JEDEC1.109 v8(100.25,3.05)
  L10 w0.6: 97.71,1.42 v8(97.71,3.05) ; JEDEC1.104 v8(96,3.05) ; 96.87,1.42 v8(96.87,3.05) ; 100.25,1.45 v8(100.25,3.05) ; 99.41,1.4 v8(99.41,3.05) ; 98.55,1.4 v8(98.55,3.05)
/TOP_LEVEL_IO/ZYNQ_PWR/+1v0_Sense: length 24.5
  L1 w0.15: C239.2 11.64,24.11 11.55,24.2 R92.2 12.06,24.49 v4(12.07,24.48)
  L10 w0.15: v4(4.15,30.54) 5.62,30.54 11.68,24.48 v4(12.07,24.48)
  L10 w0.2: v4(4.15,30.54) 3.2,29.59 3.2,23.64 6.45,20.39 U24.11
/TOP_LEVEL_IO/ZYNQ_PWR/+1v5_Sense: length 24.1
  L1 w0.15: C229.2 21.48,13.95 21.39,14.04 21.39,14.33
  L1 w0.2: R89.2 22.08,14.36 v1(22.1,14.34)
  L5 w0.2: v4(14.01,20.47) 15.68,20.47 20.55,15.59 20.55,14.96 21.17,14.34 v1(22.1,14.34)
  L10 w0.2: U24.8 8.21,17.03 8.73,16.52 13.62,16.52 14.8,17.69 14.8,18.92 14.01,19.71 v4(14.01,20.47)
